# KiCad board io_board.kicad_pcb (continued)
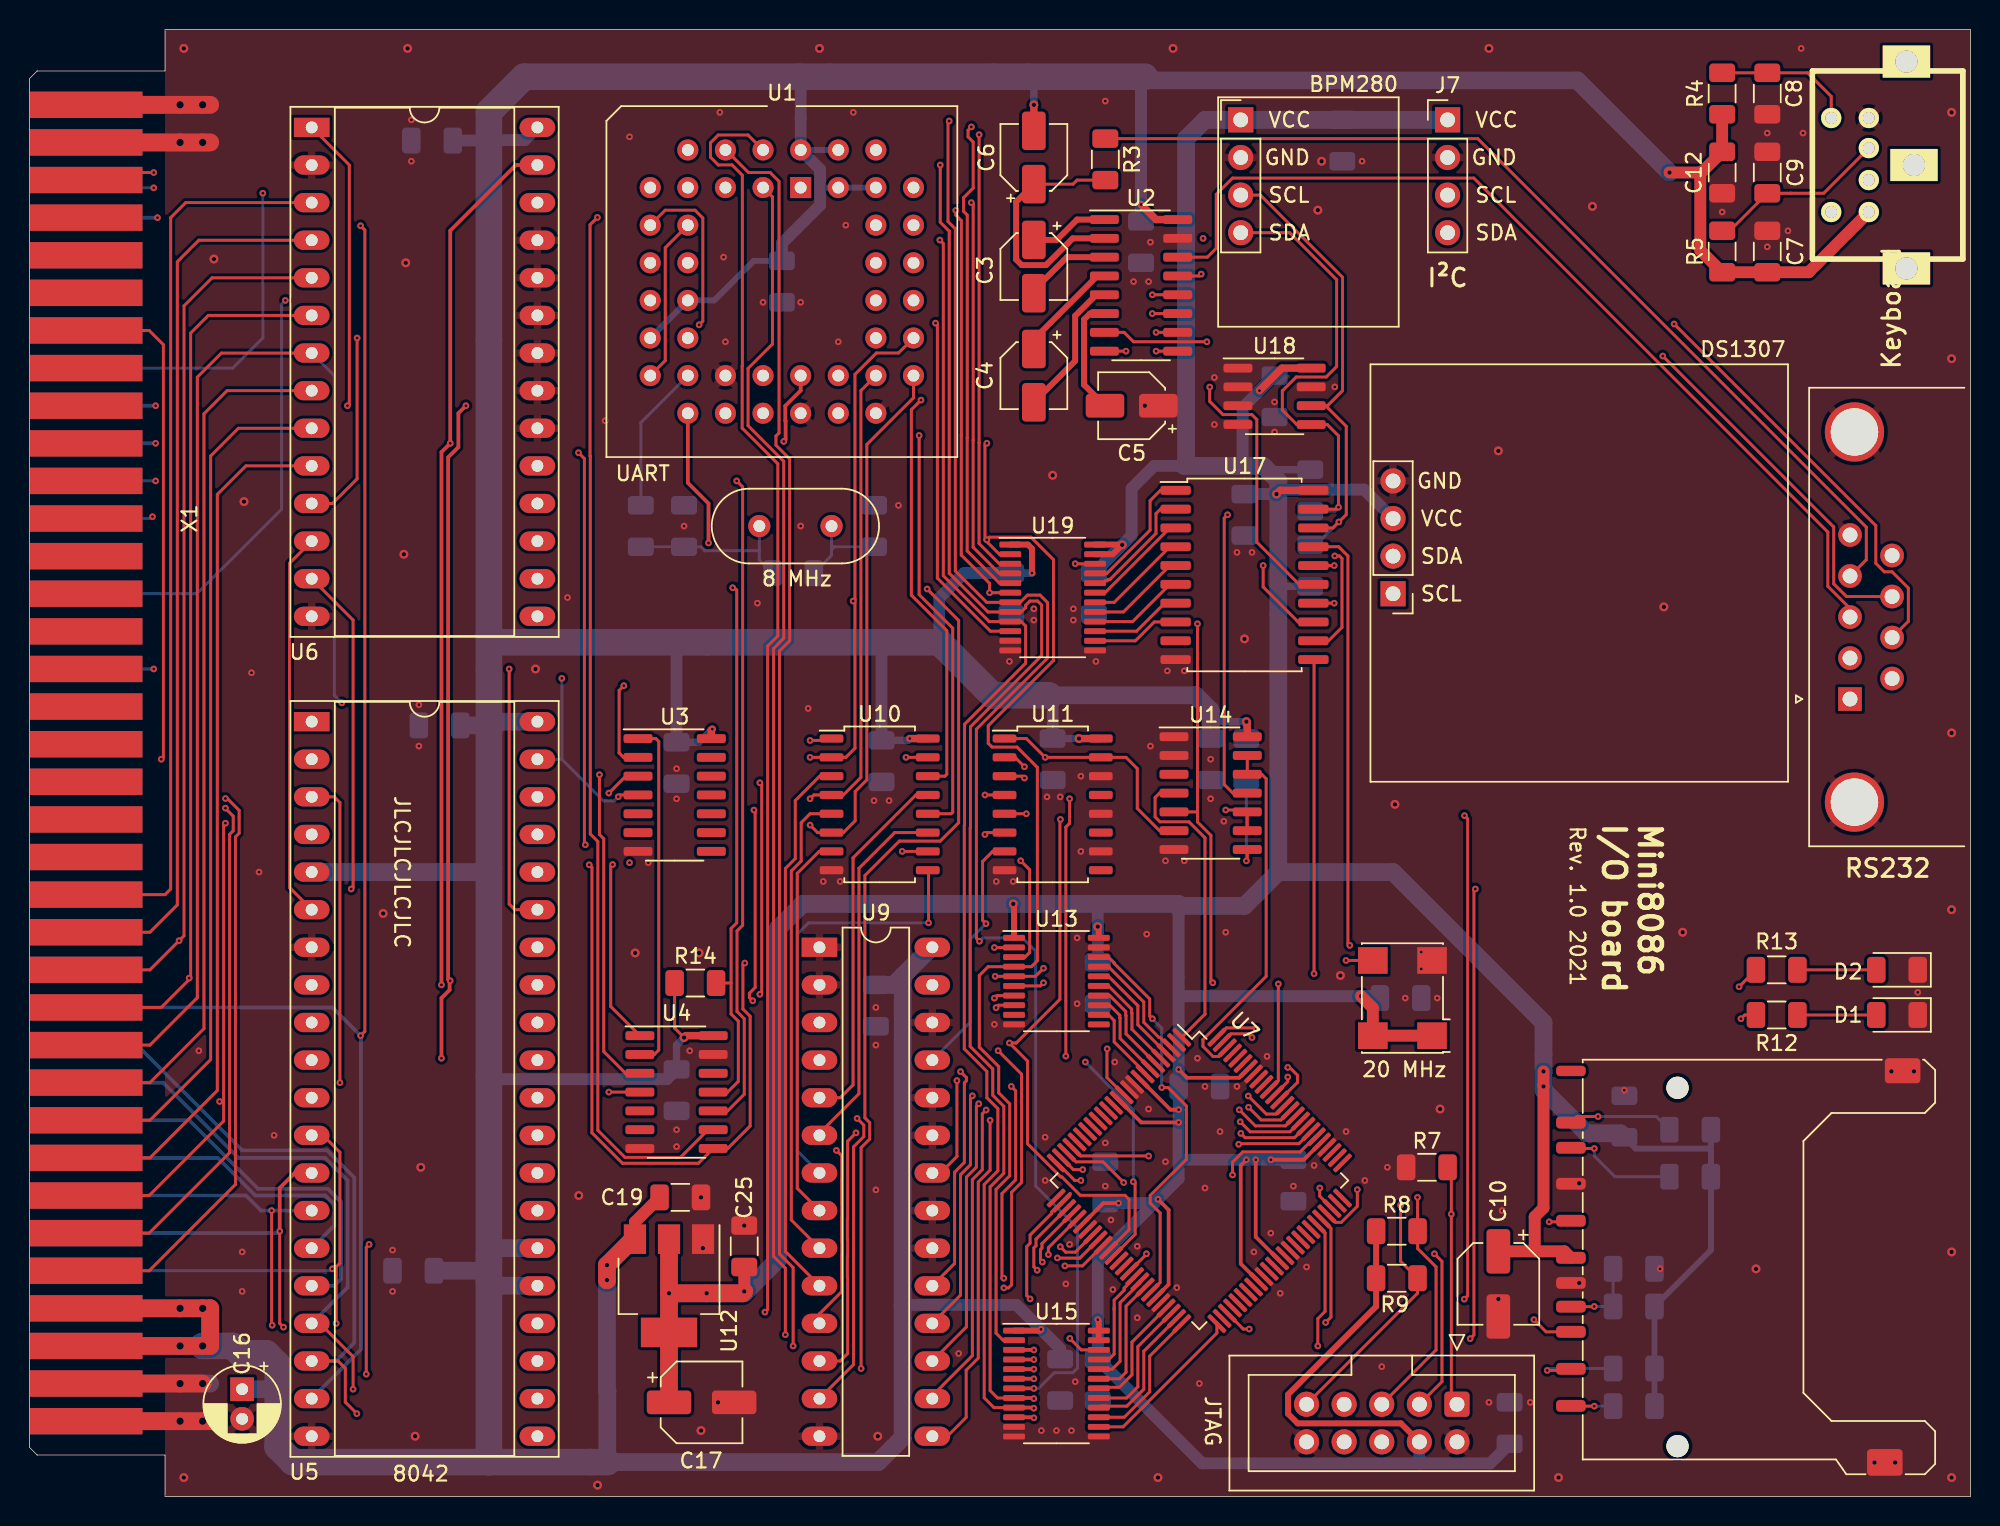
[diagram p0: board, top side]
## Routing (per net, layer and track width the routed paths; a pad name or vN(x,y) marks a point on that pad's centre or on a via; arc(x,y) is an arc through that point) (continued)
RA7: length 54.1
  Top w0.2: v1(69.61,45.72) 69.58,45.68 69.58,33.57 66.63,30.62 v1(66.17,30.62) 67.39,29.4 67.39,23.82 69.63,21.58 69.71,21.58 70.96,20.33 73.97,20.33 74.25,20.06 74.25,18 U7.36 ; v1(67.31,46.1) U11.5
  In2.Cu w0.2: U9.3 54.34,31.01 65.78,31.01 v1(66.17,30.62) ; v1(69.61,45.72) 69.39,45.5 67.92,45.5 v1(67.31,46.1)
RA8: length 42.3
  Top w0.2: v1(64.59,38.68) 64.36,38.91 64.36,42.88 65.04,43.56 U11.7 ; v1(74.53,21.25) 74.66,21.13 74.66,17.71 U7.37
  In2.Cu w0.2: U9.25 61.21,29.21 71.17,29.21 v1(71.3,29.34)
  Bottom w0.2: v1(64.59,38.68) 63.52,37.61 63.52,32.02 U9.25 ; v1(71.3,29.34) 74.53,26.1 v1(74.53,21.25)
RD0: length 47.2
  Top w0.2: v1(81.24,21.71) 81.24,22.58 81.92,23.26 85.8,23.26 86.83,24.29 U7.81 ; U9.11 53.34,12.33 54.84,13.83 54.84,14.62 54.83,14.63 54.83,16.36 54.84,16.37 54.84,17.16 54.83,17.17 54.83,18.9 54.84,18.91 54.84,19.7 54.83,19.71 54.83,21.44 54.84,21.45 54.84,23.01 v1(54.48,23.37)
  In2.Cu w0.2: v1(54.48,23.37) 54.97,22.88 73.75,22.88 74.53,22.1 76.44,22.1 76.46,22.08 76.96,22.08 76.98,22.1 80.85,22.1 v1(81.24,21.71)
RD1: length 50.2
  Top w0.2: v1(55.81,24.55) 55.24,23.98 55.24,18.74 55.23,18.73 55.23,17.34 55.24,17.32 55.24,16.2 55.23,16.19 55.23,14.8 55.24,14.78 55.24,9.64 54.74,9.14 U9.12 ; v1(81.65,23.78) 81.7,23.82 85.72,23.82 U7.82
  In2.Cu w0.2: v1(81.65,23.78) 81.4,23.53 76.47,23.53 75.82,24.18 75.1,24.18 74.24,25.04 65.85,25.04 65.28,24.47 64.45,24.47 63.41,25.51 56.77,25.51 v1(55.81,24.55)
RD2: length 52.8
  Top w0.2: v1(55.88,25.53) 56.33,25.07 56.33,24.3 55.64,23.61 55.64,8.9 U9.13 ; v1(81.79,24.52) 82.09,24.22 85.42,24.22 U7.83
  In2.Cu w0.2: v1(81.79,24.52) 81.48,24.52 80.89,23.93 76.64,23.93 75.99,24.58 75.26,24.58 74.4,25.44 65.68,25.44 65.12,24.88 64.61,24.88 63.58,25.91 56.26,25.91 v1(55.88,25.53)
RD3: length 46.3
  Top w0.2: U9.15 61.98,4.06 63.25,5.33 63.25,8.52 64.07,9.34 64.07,21.23 64.86,22.03 v1(64.86,25.4) ; v1(81.75,25.3) 82.43,24.62 85.11,24.62 U7.84
  In2.Cu w0.2: v1(81.75,25.3) 79.22,25.3 78.25,24.33 76.8,24.33 76.15,24.98 75.43,24.98 74.57,25.84 65.31,25.84 v1(64.86,25.4)
RD4: length 43.9
  Top w0.2: U7.85 84.8,25.02 82.77,25.02 v1(81.69,26.11) ; U9.16 60.96,6.8 63.67,9.51 63.67,21.4 64.34,22.07 64.34,25.84 v1(64.59,26.1)
  In2.Cu w0.2: v1(64.59,26.1) 64.74,26.24 74.73,26.24 75.6,25.38 76.32,25.38 76.97,24.73 78.08,24.73 79.46,26.11 v1(81.69,26.11)
RD5: length 40.6
  Top w0.2: U9.17 63.27,11.45 63.27,21.56 63.94,22.24 63.94,26.36 v1(64.1,26.52) ; v1(82.32,26.28) 83.17,25.42 84.49,25.42 U7.86
  In2.Cu w0.2: v1(64.1,26.52) 64.27,26.69 81.91,26.69 v1(82.32,26.28)
RD6: length 38.4
  Top w0.2: U9.18 62.86,13.59 62.86,21.73 63.54,22.4 63.54,26.93 v1(63.66,27.05) ; v1(82.3,27.04) 83.52,25.82 84.19,25.82 U7.87
  In2.Cu w0.2: v1(63.66,27.05) 63.7,27.09 82.25,27.09 v1(82.3,27.04)
RD7: length 41.4
  Top w0.2: U7.88 85.62,27.96 85.62,28.44 85.09,28.97 v1(84.96,28.97) ; v1(62.87,28.68) 63.26,28.29 63.26,28.07 63.13,27.93 63.13,22.56 62.46,21.89 62.46,15.73 U9.19
  In2.Cu w0.2: v1(84.96,28.97) 84.64,28.97 84.38,28.71 78.5,28.71 77.85,29.36 77.24,29.36 76.59,28.71 62.89,28.71 v1(62.87,28.68)
RESET: length 129
  Top w0.2: v1(38.34,86.38) 37.85,85.88 37.85,70.27 37.87,70.25 37.87,44.74 38.37,44.23 38.37,24.72 40.2,22.89 43.95,22.89 45.82,24.77 46.16,24.77
  In2.Cu w0.2: U1.39 58.65,89.43 43.99,89.43 42.92,88.36 42.92,87.91 41.88,86.86 38.83,86.86 v1(38.34,86.38)
  In2.Cu w0.25: v1(38.34,86.38) 38.33,86.36 v1(8.64,86.36)
  Bottom w0.25: 4.06,86.36 v1(8.64,86.36)
SCL: length 144.9
  Top w0.2: U17.18 88.01,65.41 v1(88.42,65.81) 88.92,66.31 88.92,72.27 87.52,73.66 U18.6 87.65,73.66 88.67,74.68 88.67,82.33 83.12,87.88 J6.3 ; X1.34 4.32,89.41 v1(8.38,89.41)
  In2.Cu w0.2: v1(8.38,89.41) 14.67,89.41 15.49,90.23 15.49,93.98 16.76,95.25 81.79,95.25 82.94,94.1 82.94,89.03 J6.3 J7.3 ; J5.1 90.17,62.87 90.17,64.06 v1(88.42,65.81)
  Bottom w0.2: v1(88.42,65.81) 86.87,64.27 86.49,64.27
SD_BUSY: length 20.8
  Top w0.2: U7.1 79.38,32.57 79.38,44.48 78.29,45.56 76.34,45.56 76.01,45.89 76.01,47.2 76.31,47.5 U14.4
SD_IRQ: length 24.7
  Top w0.2: U7.98 80.3,29.71 79.92,29.71 79.24,30.39 79.24,30.85 83.51,35.12 83.51,48.47 83.21,48.77 82.23,48.77 82.23,50.04
SDA: length 142.2
  Top w0.2: J6.4 85.09,85.34 88.27,82.17 88.27,76.3 87.56,75.6 85.54,75.6 84.6,74.66 84.6,73.36 85.57,72.39 U18.5 87.63,72.39 88.39,71.63 v1(88.39,66.8) 88.27,66.68 U17.19
  In2.Cu w0.2: v1(8.38,88.38) 14.21,88.38 15.89,90.06 15.89,93.81 16.93,94.85 78.63,94.85 80.01,93.47 80.01,87.12 J6.4 J7.4 ; J5.2 88.77,66.8 v1(88.39,66.8)
  Bottom w0.2: X1.70 4.34,88.38 v1(8.38,88.38) ; R10.2 88.13,66.54 v1(88.39,66.8)
~{CS_8042}: length 26.1
  Top w0.2: U5.6 17.55,41.12 17.55,63.02 U6.12
~{CS_BUFFER}: length 84.8
  Top w0.2: v1(78.87,58.93) 78.87,45.55 79.78,44.64 79.78,34.78 79.87,34.69 v1(79.9,34.69) ; U13.6 68.26,34.47 v1(68.47,34.69) ; 78.87,46.23 U14.5
  In2.Cu w0.2: U6.15 58.29,59.44 59.07,58.66 78.6,58.66 v1(78.87,58.93) ; v1(68.47,34.69) v1(79.9,34.69)
~{CS_DRIVE}: length 76
  Top w0.2: U6.13 21.84,59.18 21.84,41.15 v1(21.72,41.02) ; U13.3 67.22,36.42 67.53,36.74 67.53,42.32 v1(66.93,42.93)
  In2.Cu w0.2: v1(66.93,42.93) 65.85,42.93 63.72,40.8 21.94,40.8 v1(21.72,41.02)
~{CS_I2C}: length 56.7
  Top w0.2: v1(83.3,62.87) 83.3,61.42 85.67,59.06 U17.13 ; v1(70.61,62.99) 70.62,62.98 U19.22
  In2.Cu w0.2: U6.16 34.37,61.89 59.42,61.89 60.52,62.99 v1(70.61,62.99) 70.74,62.87 v1(83.3,62.87)
~{CS_UART}: length 36.4
  Top w0.2: U6.11 20.45,67.06 22.12,68.72 v1(22.12,78.23)
  In2.Cu w0.2: v1(22.12,78.23) 40.41,78.23 41.42,79.24 43.44,79.24 U1.16
~{D_EN_3}: length 76.3
  Top w0.2: v1(96.88,13.32) 97.11,13.54 97.11,45.77 v1(96.9,45.97) ; 82.23,44.96 82.23,46.23 82.1,46.36 v1(80.77,46.36) ; v1(75.42,16.38) 75.42,16.35 U7.40
  In2.Cu w0.2: v1(75.42,16.38) 77.02,14.78 95.42,14.78 v1(96.88,13.32) ; v1(96.9,45.97) 81.15,45.97 v1(80.77,46.36)
~{D_EN}: length 82.4
  Top w0.2: v1(97.28,10.65) 97.54,10.91 97.54,40.92 v1(97.63,41.02) ; v1(82.17,42.93) 82.23,42.99 82.23,43.69 ; U15.22 71.02,9.9 v1(70.25,10.67)
  In2.Cu w0.2: v1(97.63,41.02) 95.73,42.93 v1(82.17,42.93) ; v1(70.25,10.67) 70.26,10.65 81.01,10.65 81.13,10.78 97.16,10.78 v1(97.28,10.65)
  Bottom w0.2: R15.2 v1(82.17,42.93)
~{INT_I2C}: length 79.5
  Top w0.2: 47.37,34.67 47.37,32.58 47.86,32.09 47.86,28.03 47.14,27.31 46.16,27.31 ; 47.37,34.67 R14.2 ; 47.37,34.67 47.37,38.35 47.75,38.73 47.75,61.21 47.6,61.37 v1(47.48,61.37) ; U17.16 v1(88.1,62.87)
  In2.Cu w0.2: v1(88.1,62.87) 87.07,61.83 59.92,61.83 59.46,61.37 v1(47.48,61.37)
~{RAM_OE}: length 31.3
  Top w0.2: v1(84.96,28.32) 84.96,28.01 U7.89 ; U9.22 61.51,21.84 62.62,22.96 v1(62.62,28.08)
  In2.Cu w0.2: v1(62.62,28.08) 62.7,28.16 63.12,28.16 63.26,28.3 84.63,28.3 84.64,28.32 v1(84.96,28.32)
~{RAM_WE}: length 31.1
  Top w0.2: v1(84.33,34.61) 84.33,28.08 U7.90
  In2.Cu w0.2: v1(84.33,34.61) 83.85,34.13 65.45,34.13 65.03,34.54 U9.27
~{RD}: length 241.4
  Top w0.2: U15.2 65.74,10.55 65.27,11.02 65.27,20.73 66.19,21.66 66.19,26.51 65.44,27.26 65.44,29.03 64.14,30.34 64.14,35.18 64.73,35.77 U13.4 67.65,35.77 68.05,36.18 68.05,49.23 66.68,50.61 64.99,50.61 64.74,50.86 64.74,52.05 69.14,56.45 69.14,63.26 67.63,64.78 64.82,64.78 v1(64.64,64.61) 64.64,64.6 64.52,64.6 ; v1(64.65,71.12) 64.52,70.99 64.52,64.6 ; v1(88.14,63.52) 88.46,63.52 88.63,63.34 88.63,58.69 87.72,57.79 U17.12 ; U19.2 65.49,63.63 64.52,64.6
  Top w0.25: v1(27.81,34.54) 27.81,70.53 v1(28.41,71.12) 28.41,85.48 32.84,89.92 U6.27 ; v1(50.93,71.25) 51.05,71.37 51.05,72.63 51.03,72.65 51.03,73.65 52.07,74.69 U1.25
  In2.Cu w0.2: 50.8,71.12 v1(28.41,71.12) v1(8.51,71.12) ; v1(88.14,63.52) 86.79,64.86 64.9,64.86 v1(64.64,64.61) ; v1(64.65,71.12) 51.05,71.12 v1(50.93,71.25)
  In2.Cu w0.25: 50.8,71.12 v1(50.93,71.25) ; U5.8 v1(27.81,34.54)
  Bottom w0.25: 4.06,71.12 v1(8.51,71.12)
~{RESET}: length 134.5
  Top w0.2: U13.2 66.47,37.07 v1(65.15,37.07) ; U17.17 88.4,64.14 89.03,63.51 89.03,37.34 v1(89.15,37.21) ; v1(48.3,36.02) 48.17,35.89 48.17,32.91 48.66,32.42 48.66,25.02 47.14,23.5 46.16,23.5 45.16,22.49 40.04,22.49 37.97,24.56 37.97,42.47 v1(37.79,42.65)
  In2.Cu w0.2: v1(37.79,42.65) 36.69,43.75 19.15,43.75 19.05,43.85 U5.4 ; v1(48.3,36.02) 64.1,36.02 v1(65.15,37.07) 66.02,36.2 88.14,36.2 v1(89.15,37.21)
~{WR}: length 197.5
  Top w0.2: v1(68.47,35.67) 67.92,35.12 U13.5 v1(65.21,35.12) ; v1(21.46,73.66) 21.59,73.79 21.59,89.92 U6.1 ; v1(86.74,35.31) 86.74,56.47 U17.11
  Top w0.25: v1(27.81,29.59) 27.81,33.66 28.36,34.21 28.36,34.81 28.26,34.91 28.26,70.17 28.96,70.87 28.96,73.15 v1(29.46,73.66)
  In2.Cu w0.2: v1(65.21,35.12) 64.84,35.49 29.07,35.49 v1(28.4,34.83) ; v1(8.51,73.66) v1(21.46,73.66) v1(29.46,73.66) 43.42,73.66 43.95,74.19 45.95,74.19 U1.20 ; v1(68.47,35.67) 68.83,35.31 v1(86.74,35.31)
  In2.Cu w0.25: U5.10 27.69,29.46 v1(27.81,29.59)
  Bottom w0.25: 4.06,73.66 v1(8.51,73.66)
Net-(C2-Pad1): length 11.8
  Bottom w0.2: 49.28,63.88 49.26,63.86 45.59,63.86 45.33,64.13 C2.1 ; 49.28,63.88 Y1.1 ; 49.28,63.88 49.28,63.24 R1.1 ; C2.1 R2.1 ; C2.1 44.08,64.13
Net-(D1-A): length 5.3
  Top w0.2: D1.2 R12.2
Net-(D2-A): length 5.3
  Top w0.2: D2.2 R13.2
Net-(J1-Pad4): length 66
  Top w0.2: R3.1 97.8,91.7 124.04,65.46 124.04,63.26 J1.4
Net-(J3-DAT1): length 7.2
  Top w0.2: J3.8 104.5,25.65 v1(105.92,25.65)
  Bottom w0.2: v1(105.92,25.65) 109.85,25.65 R18.2
Net-(J3-DAT2): length 2.9
  Top w0.2: v1(105.66,6.1) 104.1,6.1 J3.9
  Bottom w0.2: R19.2 v1(105.66,6.1)
Net-(U2-C1+): length 5.3
  Top w0.4: U2.1 70.74,86.23 69.36,84.86 C3.1
Net-(U2-C1-): length 5.9
  Top w0.4: U2.3 70.05,83.69 67.82,81.46 C3.2
Net-(U2-C2+): length 7.2
  Top w0.4: C4.1 67.82,78.14 72.1,82.42 U2.4
Net-(U2-C2-): length 9.6
  Top w0.4: U2.5 72.03,81.15 70.61,79.73 70.61,76.68 C4.2
Net-(U2-VS+): length 17.8
  Top w0.2: C6.1 70.46,88.62 70.74,88.9 R3.2
  Top w0.25: 68.09,88.9 C6.1
  Top w0.4: C6.1 66.62,87.42 66.62,83.54 67,83.16 68.64,83.16 70.44,84.96 U2.2
Net-(U2-VS-): length 7.9
  Top w0.4: C5.2 71.21,75.08 71.21,79.48 71.61,79.88 U2.6
Net-(U3-Pad1): length 23.7
  Top w0.2: U3.1 42.29,51.18 42.49,50.98 42.49,30.15 42.19,29.84 41.21,29.84

## Copper pours and planes (outline as drawn; the poured copper is in the pictures)
GND on Top: 131.06,0 9.14,0 9.14,99.06 131.06,99.06
GND on Bottom: 131.06,0 9.14,0 9.14,99.06 131.06,99.06
GND on In1.Cu: 131.06,0 9.14,0 9.14,99.06 131.06,99.06
GND on In2.Cu: 131.06,0 9.14,0 9.14,99.06 131.06,99.06

## Text on the board
F.Silkscreen: GND | VCC | SCL | SDA | 8042 | UART | 8 MHz | BPM280 | 20 MHz | DS1307 | JLCJLCJLCJLC | JTAG | Rev. 1.0 2021 | I²C | RS232 | Mini8086 / I/O board
